# KiCad board rkh.kicad_pcb (continued)
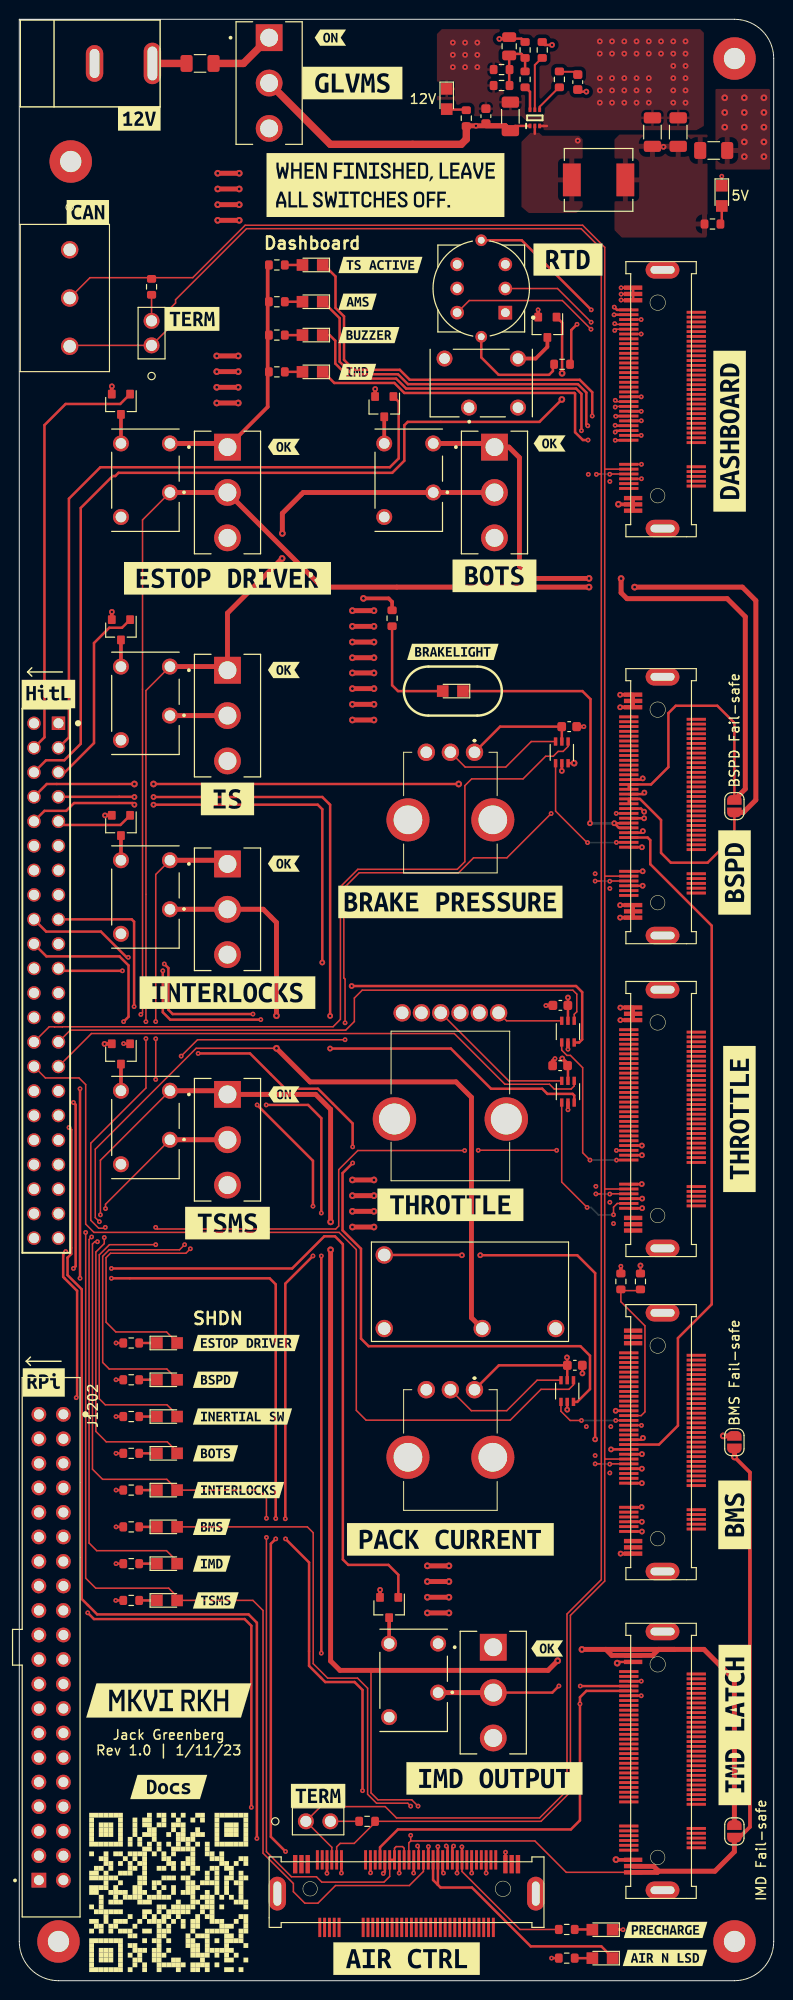
[diagram p0: board, top side]
## Nets (continued)
/Hardware in the Loop/HITL_GPIO31: J301.11
/MSB/CAN.N: J201.2 J601.8 J701.8 J801.8 J1101.8 J1201.15 R201.2 R202.2
/MSB/CAN.P: J201.3 J202.1 J203.1 J601.7 J701.7 J801.7 J1101.7 J1201.14
/MSB/GLV_BATT+: F201.1 J101.1
/Nostril/BSPD/BRAKE_PRESSURE_POT: RV601.2 U601.3
/Nostril/BSPD/BRAKE_PRESSURE_SENSE: J601.11 U601.4
/Nostril/BSPD/BRAKELIGHT_LOW_SIDE: D601.1 J601.14 J601.15
/Nostril/BSPD/SHDN_FROM_BSPD: J601.22 J601.23 JP401.2 K402.4 SW406.1
/Nostril/BSPD_I_SENSE: J601.12 J1201.18
/Nostril/Dashboard/BMS_LED_LSD: D801.1 J801.13
/Nostril/Dashboard/BUZZER_LSD: D805.1 J801.12
/Nostril/Dashboard/IMD_LED_LSD: D802.1 J801.10
/Nostril/Dashboard/START_BTN_A: J801.33 K801.4 SW802.4 SW802.5
/Nostril/Dashboard/START_BTN_B: J801.34 K801.2 SW802.1 SW802.2
/Nostril/Dashboard/START_BTN_LED_+: J801.36 R805.2
/Nostril/Dashboard/START_BTN_LED_-: J801.37 SW802.L2
/Nostril/Dashboard/TS_LED_LSD: D804.1 J801.15
/Nostril/SHDN_SENSE_BOTS: D404.2 J801.18 K402.2 K403.4 SW406.2 SW407.1
/Nostril/SHDN_SENSE_BSPD: D402.2 J601.17
/Nostril/SHDN_SENSE_ESTOP_DRIVER: D401.2 J601.19 J601.20 J801.17 JP401.1 K401.2 SW405.2
/Nostril/SHDN_SENSE_IS: D403.2 J701.12 K403.2 K501.4 SW407.2 SW501.1
/Nostril/Throttle/APPS_POTENTIOMETER_A: RV701.2 U702.3
/Nostril/Throttle/APPS_POTENTIOMETER_B: RV701.5 U701.3
/Nostril/Throttle/THROTTLE_A_SENSE: J701.10 U702.4
/Nostril/Throttle/THROTTLE_B_SENSE: J701.5 U701.4
/Service Section/BMS Core/BMS_RELAY_LSD: J1201.17 K1101.5
/Service Section/BMS Core/CHARGE_ENABLE_IN: J1201.11
/Service Section/BMS Core/CHARGE_ENABLE_OUT: J1201.12
/Service Section/BMS Core/I_SENSE_VOUT: J1201.23 U1101.4
/Service Section/BMS Core/I_SENSE_VREF: J1201.24 R1101.2 R1102.1
/Service Section/BMS Core/PACK_I_SENSE_POT: RV1201.2 U1101.3
/Service Section/IMD Latch/IMD_OUTPUT: J1301.34 K1201.2 SW1201.2
/Service Section/SHDN_SENSE_BMS: D504.2 J1101.19 J1301.P1 J1301.P2 JP501.2 JP502.1 K1101.3
/Service Section/SHDN_SENSE_IMD: D506.2 J1101.21 J1301.P39 J1301.P40 JP502.2 K202.4 SW202.1
/Service Section/SHDN_SENSE_INTERLOCKS: D503.2 J1101.15 J1101.16 J1101.18 JP501.1 K501.2 K1101.2 SW501.2
/Service Section/SHDN_SENSE_TSMS: D507.2 J1101.22 K202.2 SW202.2
Net-(C1003-Pad1): C1003.1 R1002.2
Net-(C1003-Pad2): C1003.2 L1001.1 U1001.2
Net-(C1004-Pad1): C1004.1 R1003.2 R1004.1 R1005.1 R1006.1
Net-(C1004-Pad2): C1004.2 C1005.1 C1006.1 F1001.1 L1001.2 R1006.2 R1008.1
Net-(D401-Pad1): D401.1 R401.1
Net-(D402-Pad1): D402.1 R402.1
Net-(D403-Pad1): D403.1 R403.1
Net-(D404-Pad1): D404.1 R404.1
Net-(D503-Pad1): D503.1 R503.1
Net-(D504-Pad1): D504.1 R504.1
Net-(D506-Pad1): D506.1 R506.1
Net-(D507-Pad1): D507.1 R507.1
Net-(D601-Pad2): D601.2 R601.2
Net-(D801-Pad2): D801.2 R801.2
Net-(D802-Pad2): D802.2 R802.2
Net-(D804-Pad2): D804.2 R803.2
Net-(D805-Pad2): D805.2 R804.2
Net-(D901-Pad2): D901.2 R902.2
Net-(D902-Pad2): D902.2 R903.2
Net-(D1001-Pad2): D1001.2 R1007.2
Net-(D1002-Pad2): D1002.2 R1008.2
Net-(F201-Pad2): F201.2 SW201.1
Net-(J202-Pad2): J202.2 R201.1
Net-(J203-Pad2): J203.2 R202.1
Net-(K202-Pad5): K202.5 Q202.3
Net-(K401-Pad5): K401.5 Q401.3
Net-(K402-Pad5): K402.5 Q402.3
Net-(K403-Pad5): K403.5 Q403.3
Net-(K501-Pad5): K501.5 Q501.3
Net-(K801-Pad5): K801.5 Q801.3
Net-(K1201-Pad5): K1201.5 Q1201.3
Net-(R805-Pad1): R805.1 SW802.L1
Net-(R1002-Pad1): R1002.1 U1001.4
Net-(R1003-Pad1): R1003.1 U1001.6

Pads without a net: J301 42 43 44; J601 4 5 25 26 27 28 29 30 31 32 33 34 35 36 37 41 42 43 44 45 46 47 48 49 50 51 52 53 54 55 56 57 58 59 60 61 62 63 64 65 66 67 68 69 70 71 72 73 75 76; J701 14 15 16 17 18 19 20 21 22 23 24 25 26 27 28 29 30 31 32 33 34 35 36 37 41 42 43 44 45 46 47 48 49 50 51 52 53 54 55 56 57 58 59 60 61 62 63 64 65 66 67 68 69 70 71 72 73 75 76 P1 P2 P3; J801 4 5 20 21 22 23 24 25 26 27 28 29 30 31 41 42 43 44 45 46 47 48 49 50 51 52 53 54 55 56 57 58 59 60 61 62 63 64 65 66 67 68 69 70 71 72 73 75 76; J1101 4 5 10 12 31 33 34 36 37 41 42 43 44 45 46 47 48 49 50 51 52 53 54 55 56 57 58 59 60 61 62 63 64 65 66 67 68 69 70 71 72 73 75 76 P1 P2 P3 P39 P40; J1201 5 7 8 20 21 26 27 28 29 30 31 32 33 34 35 36 37 41 42 43 44 45 46 47 48 49 50 51 52 53 54 55 56 57 58 59 60 61 62 63 64 65 66 67 68 69 70 71 72 73 75 76 P2 P3 P38 P39 P40; J1202 1 3 5 7 8 10 11 12 13 15 16 17 18 19 21 22 23 24 26 27 28 29 31 32 33 35 36 37 38 40; J1301 4 5 6 7 8 9 10 11 12 13 14 15 16 17 18 19 20 21 22 23 24 25 26 27 28 29 30 31 36 37 41 42 43 44 45 46 47 48 49 50 51 52 53 54 55 56 57 58 59 60 61 62 63 64 65 66 67 68 69 70 71 72 73 75 76; RV601 4 5; RV701 MH1 MH2; RV1201 4 5; SW201 3; SW202 3; SW405 3; SW406 3; SW407 3; SW501 3; SW802 3 6; SW1201 3

## Via types
v1: diameter 0.6, hole 0.25, Top to Bottom, 109 vias
v2: diameter 0.5, hole 0.2, Top to Bottom, 166 vias
v3: diameter 0.7, hole 0.3, Top to Bottom, 85 vias

## Routing (per net, layer and track width the routed paths; a pad name or vN(x,y) marks a point on that pad's centre or on a via; arc(x,y) is an arc through that point)
+5V: length 99.7
  Top w0.254: U1101.2 56.82,63.75 ; 56.82,63.75 56.82,64.54 v1(56.79,64.57) ; 56.82,63.75 49.73,63.75 RV1201.1 ; U701.2 56.9,94.77 56.87,94.8 ; v3(62,32.9) 62.13,33.02 J1301.P38 ; v1(56.9,101.85) 56.9,101.04 U702.2 ; RV601.1 49.86,129.92 56.24,129.92 56.26,129.9 U601.2 ; v2(50.42,13.31) 50.41,13.3 J1101.P38 ; 64.41,73.39 v1(64.41,74.09) ; 55.82,2.34 v2(55.19,2.34)
  Top w0.381: v3(62.13,152.96) 62.14,152.95 J801.P2 ; v1(56.3,95.54) 56.87,94.97 56.87,94.8 ; v1(62.33,99.52) 62.34,99.52 J701.P38 J701.P40 62.34,100.82 v1(62.33,100.81) ; v1(62.36,44.25) 62.36,44.24 J1201.P1 ; v1(62.31,111.43) 62.31,111.43 J601.P3 J601.P1 62.31,110.13 v1(62.31,110.13) ; J801.P1 J801.P3
  Top w0.508: v3(44.55,41.35) v3(42.32,41.35) ; v3(34.54,132.23) v3(36.78,132.23) ; v3(34.54,82.96) v3(36.78,82.96) ; v3(36.78,130.61) v3(34.54,130.61) ; v3(44.55,38.1) v3(42.32,38.1) ; v3(34.54,138.68) v3(36.78,138.68) ; v3(42.32,42.98) v3(44.55,42.98) ; v3(36.78,140.31) v3(34.54,140.31) ; v3(20.47,168.33) v3(22.71,168.33) ; v3(22.81,185.62) v3(20.57,185.62) ; v3(34.54,141.94) v3(36.78,141.94) ; v3(20.47,165.07) v3(22.71,165.07) ; v3(36.78,133.86) v3(34.54,133.86) ; v3(20.57,187.25) v3(22.81,187.25) ; v3(36.78,137.06) v3(34.54,137.06) ; v3(22.81,182.37) v3(20.57,182.37) ; v3(22.71,166.7) v3(20.47,166.7) ; v3(36.78,81.33) v3(34.54,81.33) ; v3(20.57,184) v3(22.81,184) ; v3(34.54,79.71) v3(36.78,79.71) ; v3(34.54,135.48) v3(36.78,135.48) ; v3(36.78,78.08) v3(34.54,78.08) ; v3(22.71,163.45) v3(20.47,163.45) ; v3(42.32,39.73) v3(44.55,39.73)
  vias: v3(73.15,195.07) v3(73.15,193.55) v3(73.15,192.02) v3(75.18,195.07) v3(75.18,193.55) v3(75.18,192.02) v3(75.18,190.5) v3(75.18,188.98) v3(77.22,195.07) v3(77.22,193.55) v3(77.22,192.02) v3(77.22,190.5) v3(77.22,188.98)
+12V: length 301.7
  Top w0.25: U1001.1 51.41,192.15 C1002.1
  Top w0.254: 54.23,200.81 54.5,200.54 v1(55.25,200.54)
  Top w0.381: v3(35.69,143.21) 38.3,143.21 38.66,142.85 38.66,142.1 ; SW405.1 25.76,163.05 25.76,177.75 ; 61.88,12.55 61.91,12.52 63.62,12.52
  Top w0.508: SW405.1 21.21,159.26 K401.4 ; 48.39,192.17 50.4,192.17 50.93,191.64 50.4,192.17 46.35,192.17 ; v3(61.87,12.55) 61.88,12.55
  Top w0.762: 46.35,192.17 46.35,190.78 45.82,190.25 32.26,190.25 SW201.2
  In2.Cu w0.254: v1(55.25,200.54) 55.13,200.54 47.35,192.77 v1(47.35,192.17)
  In2.Cu w0.508: SW405.1 32.69,158.88 32.72,158.9 35.66,155.96 35.66,69.75 K1101.1 36.07,65.79 36.07,50.75 36.68,50.14 42.57,50.14 43.43,49.28 K1201.4 43.81,34.55 SW1201.1 52.2,31.5 60.55,31.5 61.87,30.18 v3(61.87,12.55)
  In2.Cu w0.762: SW405.1 21.59,192.28 SW201.2
GND: length 88.8
  Top w0.152: J801.35 v2(64.48,172.1) ; J801.32 v2(64.48,170.6) ; v2(64.52,57.53) 64.5,57.54 J1201.22 ; v2(64.52,155.6) 64.51,155.6 J801.6 ; J801.9 64.51,157.1 v2(64.52,157.1)
  Top w0.254: v1(64.56,51.54) 64.56,51.54 J1201.10 ; 72.85,186.01 v2(72.85,186.94) ; J1101.23 42.42,12.53 v2(42.42,13.89) ; J701.13 v1(64.56,86.52) ; J701.11 v1(64.57,85.52) ; v2(62.41,174.12) 62.43,174.1 J801.P38 J801.P40 62.42,175.4 v2(62.41,175.39) ; J1201.13 v1(64.56,53.04) ; J601.10 64.56,117.43 v1(64.57,117.42) ; v2(31.9,11.13) 31.91,11.13 J1101.6 ; 10.66,62.26 v2(10.03,62.26) ; v1(64.53,49.07) 64.51,49.04 J1201.9 ; U601.5 v1(56.26,125.33) ; J1101.20 40.91,11.17 v2(40.89,11.15) ; 10.66,58.45 v2(10.03,58.45) ; J801.11 v2(64.49,160.1) ; v2(64.49,29.52) 64.49,29.52 J1301.32 ; J1101.35 48.41,11.15 v2(48.41,11.15) ; v1(64.67,56.23) 64.49,56.04 J1201.19 ; v2(62.41,174.73) 62.43,174.75 J801.P39 ; v1(64.57,46.53) 64.56,46.54 J1201.4 ; J1201.25 v1(61.85,59.04) ; J801.14 64.49,161.6 v2(64.5,161.61) ; J601.24 64.52,124.43 v1(64.65,124.56) ; J1101.26 43.91,11.23 v2(43.99,11.15) ; J801.16 64.49,162.6 v2(64.49,162.59) ; J1101.9 33.4,12.51 v2(33.4,11.15) ; v1(64.67,119.1) 64.5,118.93 J601.13 ; v2(39.4,11.15) 39.41,11.16 J1101.17 ; J1201.6 v1(64.56,47.54) ; J1201.16 64.56,54.54 v1(64.57,54.56) ; J601.18 64.47,121.43 v1(64.8,121.11) ; J1301.35 64.49,31.02 v2(64.5,31.03) ; v2(45.39,11.15) 45.41,11.17 J1101.29 ; J1101.14 37.91,11.27 v2(37.75,11.11) ; 61.58,5.28 v2(62.61,5.28) ; v1(64.64,113.44) 64.64,113.43 J601.6 ; v2(46.91,11.15) 46.91,11.16 J1101.32 ; v1(64.59,81.03) 64.59,81.02 J701.6 ; J601.16 64.79,120.43 v1(64.8,120.42) ; 10.66,50.83 v2(10.03,50.83) ; 10.66,54.64 v2(10.03,54.64) ; U1101.5 v1(56.82,59.16) ; J1101.11 36.41,11.19 v2(36.42,11.18) ; v1(64.82,123.09) 64.66,122.93 J601.21 ; J801.19 64.49,164.1 v2(64.49,164.09) ; J701.4 64.58,80.02 v1(64.59,80.04) ; 10.66,39.4 v2(10.01,39.4) ; 10.66,43.21 v2(10.03,43.21) ; 58.39,63.75 v1(58.39,62.92) ; 53.97,192.15 U1001.3 54.71,192.15 ; v1(64.55,82.53) 64.54,82.52 J701.9 ; J601.9 64.64,114.93 v1(64.64,114.94) ; 10.66,66.07 v2(10.03,66.07) ; 10.66,47.02 v2(10.03,47.02)
  Top w0.381: Q403.2 9.59,141.8 v1(9.6,141.81) ; v1(36.91,164.9) 36.9,164.89 Q402.2 ; Q501.2 9.58,120.73 v1(8.89,120.73) ; v1(8.84,97.05) 8.85,97.06 Q202.2 ; v2(53.8,173.1) 53.81,173.09 Q801.2 ; 55.3,94.8 55.3,95.27 v2(55.55,95.53) ; U701.5 v2(56.9,90.23) ; v1(9.6,165.18) 9.59,165.17 Q401.2 ; 55.32,101.04 54.63,101.04 v2(54.61,101.02) ; v1(62.31,131.93) 62.31,131.93 J601.P38 J601.P40 62.31,133.23 v1(62.31,133.22) ; U702.5 v2(56.9,96.5) ; v1(37.41,40.49) 37.4,40.48 Q1201.2 ; 62.38,73.39 v2(62.38,74.02) ; 57.81,129.92 v2(58.55,129.92)
  vias: v1(44.96,200.79) v1(44.96,199.52) v1(44.96,198.25) v1(46.23,200.79) v1(46.23,199.52) v1(46.23,198.25) v1(47.5,200.79) v1(47.5,199.52) v1(47.5,198.25) v1(60.2,200.91) v1(60.2,199.64) v1(60.2,197.1) v1(60.2,195.83) v1(60.2,194.56) v1(61.47,200.91) v1(61.47,199.64) v1(61.47,197.1) v1(61.47,195.83) v1(61.47,194.56) v1(62.74,200.91) v1(62.74,199.64) v1(62.74,197.1) v1(62.74,195.83) v1(62.74,194.56) v1(64.01,200.91) v1(64.01,199.64) v1(64.01,197.1) v1(64.01,195.83) v1(64.01,194.56) v1(65.28,200.91) v1(65.28,199.64) v1(65.28,197.1) v1(65.28,195.83) v1(65.28,194.56) v1(66.55,200.91) v1(66.55,199.64) v1(67.82,200.91) v1(67.82,199.64) v1(67.82,198.37) v1(67.82,197.1) v1(67.82,195.83) v1(67.82,194.56) v1(69.09,200.91) v1(69.09,199.64) v1(69.09,198.37) v1(69.09,197.1) v1(69.09,195.83) v1(69.09,194.56) v2(58.8,57.4) v2(59,156.06) v2(59.72,114.68) v2(59.72,54.41) v2(59.79,82.3) v2(61.24,155.32) v2(61.24,113.16) v2(61.24,80.64) v2(61.24,52.6) v2(61.34,57.4) v2(61.62,78.44)
/Buck Converter/BUCK_EN: length 5.7
  Top w0.2: 54.23,199.24 53.46,198.47 U1001.5
/Hardware in the Loop/HITL_DAC1: length 60.4
  Top w0.152: J301.27 5.29,98.48 33.85,98.48 34.75,99.37 34.75,101.8 35.56,102.62 57.4,102.62 57.81,102.21 57.81,100.38 57.55,100.12 U702.1
/Hardware in the Loop/HITL_DAC2: length 81.3
  Top w0.152: J301.28 3.11,98.83 3.65,98.83 3.66,98.82 4.47,98.82 4.48,98.83 32.54,98.83 33.3,99.59 33.3,113.33 35.1,115.14 45.42,115.14 46.2,115.93 46.2,123.8 46.91,124.51 52.24,124.51 54.58,126.85 55.37,126.85 55.88,127.36 56.39,127.36 56.91,127.87 U601.1
/Hardware in the Loop/HITL_DAC3: length 57.9
  Top w0.152: U701.1 57.55,92.7 57.23,92.38 55.47,92.38 54.98,92.87 50.36,92.87 45.1,98.13 7.48,98.13 J301.29
/Hardware in the Loop/HITL_DAC4: length 91.3
  Top w0.152: J301.30 2.71,93.52 6.2,93.52 6.88,92.84 6.88,78.38 7.75,77.52 33.17,77.52 34.95,75.74 34.95,59.08 35.97,58.06 50.9,58.06 54.1,61.26 57,61.26 57.47,61.74 U1101.1
/Hardware in the Loop/HITL_GPIO7: length 132.7
  Top w0.254: v2(45.03,13.94) 44.91,13.82 J1101.28 ; v2(24.66,90.73) 30.45,84.94 v2(30.45,80.24) ; v2(15.04,105.33) 15.46,104.91 15.46,100.59 15.91,100.14 v2(24.23,100.14) ; v2(35.59,19.69) 35.59,30.12 34.77,30.94 31.72,30.94 30.05,32.61 30.05,43.33 v2(27.61,45.77) ; v2(27.58,47.85) 27.58,72.21 v2(30.45,75.08) ; v2(11.3,106.02) 11.13,106.02 8.47,108.69 2.79,108.69 J301.18
  In2.Cu w0.254: v2(11.3,106.02) 14.35,106.02 v2(15.04,105.33) ; v2(24.66,90.73) 24.23,91.16 v2(24.23,100.14) ; v2(35.59,19.69) 40.57,19.69 45.03,15.22 v2(45.03,13.94) ; v2(27.61,45.77) 27.61,47.83 v2(27.58,47.85) ; v2(30.45,75.08) v2(30.45,80.24)
/Hardware in the Loop/HITL_GPIO9: length 44.1
  Top w0.254: J301.04 2.61,128.81 2.61,161.16 4.8,163.35 10.47,163.35 Q401.1
/Hardware in the Loop/HITL_GPIO10: length 96
  Top w0.254: v3(56.29,166.53) 56.29,171.77 Q801.1 ; v3(56.26,163.81) 53.94,161.49 40.28,161.49 39.93,161.14 39.93,157.47 38.67,156.21 10.29,156.21 9.96,155.88 9.68,155.88 6.38,152.58 6.38,128.14 4.67,126.44 2.78,126.44 J301.06
  In2.Cu w0.254: v3(56.26,163.81) 56.26,166.5 v3(56.29,166.53)
/Hardware in the Loop/HITL_GPIO11: length 58.4
  Top w0.254: U601.6 56.92,126.14 v3(57.53,126.14) ; v3(11.94,123.98) 2.85,123.98 J301.08 ; v3(13.92,123.98) v3(45.57,123.98)
  In2.Cu w0.254: v3(57.53,126.14) 57.53,125.63 55.88,123.98 v3(45.57,123.98) ; v3(11.94,123.98) v3(13.92,123.98)
/Hardware in the Loop/HITL_GPIO13: length 68.8
  Top w0.254: J301.03 5.15,128.81 5.15,153.54 8.41,156.79 38.43,156.79 39.34,157.71 39.34,163.57 Q402.1
/Hardware in the Loop/HITL_GPIO14: length 20
  Top w0.254: Q403.1 10.65,140.16 9.33,140.16 7.75,138.58 7.75,128.22 4.72,125.19 J301.05
/Hardware in the Loop/HITL_GPIO15: length 81.8
  Top w0.254: v1(13.92,122.63) 31.42,122.63 32.23,121.82 v1(32.23,99.95) ; v1(11.94,122.63) 11.92,122.65 J301.07 ; U701.6 57.55,91.71 57.38,91.87 54.76,91.87 54.23,92.41 48.92,92.41 44.75,96.57 v1(32.23,96.57)
  In2.Cu w0.254: v1(11.94,122.63) v1(13.92,122.63) ; v1(32.23,99.95) v1(32.23,96.57)
/Hardware in the Loop/HITL_GPIO16: length 81
  Top w0.254: U702.6 58.06,97.2 58.37,97.51 58.37,102.41 57.73,103.05 v1(34.47,103.05) ; v1(13.92,121.83) 30.95,121.83 31.42,121.36 v1(31.42,105.49) ; J301.10 2.61,121.19 4.86,121.19 5.67,122 11.77,122 v1(11.94,121.83)
  In2.Cu w0.254: v1(34.47,103.05) 33.68,103.05 31.42,105.31 v1(31.42,105.49) ; v1(11.94,121.83) v1(13.92,121.83)
/Hardware in the Loop/HITL_GPIO17: length 8
  Top w0.254: J301.09 4.44,119.74 10.49,119.74 Q501.1
/Hardware in the Loop/HITL_GPIO22: length 155.2
  Top w0.254: 43.41,9.93 43.69,9.65 46.94,9.65 53.04,3.56 60.36,3.56 61.58,2.34 ; 43.41,9.93 J1101.25 43.41,13.89 v2(43.41,13.89) ; 43.41,9.93 42.91,10.43 J1101.24 ; v2(26.59,47.88) 26.59,72.14 25.96,72.77 v2(9.55,72.77) ; v2(27.61,13.39) 26.09,14.91 26.09,45.26 v2(26.59,45.77) ; v2(6.3,72.77) v2(6.3,92.41)
  In2.Cu w0.254: v2(27.61,13.39) 28.17,12.83 42.34,12.83 v2(43.41,13.89) ; v2(9.55,72.77) v2(6.3,72.77) ; v2(6.3,92.41) 6.3,100.09 J301.23 ; v2(26.59,45.77) v2(26.59,47.88)
/Hardware in the Loop/HITL_GPIO23: length 102.9
  Top w0.254: v2(9.55,73.79) 28.3,73.79 31.63,77.12 32.74,77.12 33.55,76.3 33.55,43.64 34.11,43.08 38.28,43.08 39.3,42.05 Q1201.1 ; v2(5.61,90.98) 5.85,90.75 5.85,74.02 v2(5.61,73.79)
  In2.Cu w0.254: J301.24 2.55,101.31 3.99,101.31 5.85,99.45 5.85,92.77 5.72,92.64 5.72,91.94 6.15,91.52 v2(5.61,90.98) ; v2(9.55,73.79) v2(5.61,73.79)
/Hardware in the Loop/HITL_GPIO24: length 166.7
  Top w0.254: J1101.13 37.41,13.82 39.26,15.67 57.2,15.67 58.14,16.61 v2(58.14,28.68) 58.14,29.36 58.8,30.02 J1301.33 ; v2(31.32,79.53) 31.32,89.36 29.95,90.73 v2(25.6,90.73) ; J301.21 4.31,104.62 v2(10.69,104.62) ; v2(31.32,33.93) v2(31.32,75.08) ; v2(14.88,104.62) 14.88,100.33 15.65,99.57 v2(25.04,99.57)
  In2.Cu w0.254: v2(31.32,33.93) 32.54,32.72 48.7,32.72 52.74,28.68 v2(58.14,28.68) ; v2(14.88,104.62) v2(10.69,104.62) ; v2(25.04,99.57) 25.6,99.01 v2(25.6,90.73) ; v2(31.32,75.08) v2(31.32,79.53)
/Hardware in the Loop/HITL_GPIO25: length 150.2
  Top w0.152: J1101.30 45.91,11.32 51.92,5.31 55.82,5.31
  Top w0.254: v2(5.16,88.39) 5.39,88.16 5.39,75.29 5,74.9 5,73.1 6.48,71.62 6.48,39.54 8.08,37.95 23.77,37.95 24.64,37.08 v2(24.64,14.73) ; J1101.30 45.91,13.86 v2(45.9,13.87)
  In2.Cu w0.254: v2(24.64,14.73) 27.62,11.75 43.64,11.75 43.71,11.68 v2(45.9,13.87) ; J301.22 2.55,103.85 3.99,103.85 6.75,101.08 6.75,96.62 7.21,96.16 7.21,90.45 v2(5.16,88.39)
/Hardware in the Loop/HITL_GPIO26: length 135.7
  Top w0.254: v2(7.1,38.11) 7.74,37.47 23.37,37.47 24.06,36.77 v2(24.06,17.97) ; v2(44.27,13.95) 44.41,13.82 J1101.27 ; v2(4.81,75.54) 4.55,75.27 4.55,72.91 5.99,71.47 5.99,60.49 v2(5.9,60.4)
  In2.Cu w0.254: J301.19 4.2,107.41 7.21,104.4 7.21,96.81 7.67,96.35 7.67,90.26 5.84,88.44 5.84,76.57 v2(4.81,75.54) ; v2(24.06,17.97) 24.2,17.97 25.58,16.59 25.58,14.43 27.77,12.24 42.57,12.24 44.27,13.94 v2(44.27,13.95) ; v2(5.9,60.4) 7.1,59.21 v2(7.1,38.11)
/Hardware in the Loop/HITL_GPIO27: length 19.7
  Top w0.254: v2(10.82,99.36) 11.33,99.87 11.33,105.18 10.39,106.12 2.81,106.12 J301.20 ; v2(10.82,97.08) 10.84,97.06 Q202.1
  In2.Cu w0.254: v2(10.82,97.08) v2(10.82,99.36)
/Hardware in the Loop/HITL_GPIO28: length 98.3
  Top w0.254: v2(34.57,86.39) 34.57,88.81 30.97,92.4 27.59,92.4 23.93,96.06 v2(18.55,96.06) ; v2(34.57,84.71) 33.52,83.66 33.52,77.74 35.43,75.83 35.43,66.52 36.22,65.74 58.19,65.74 59.18,64.74 59.18,61.29 57.85,59.96 U1101.6 ; J301.17 4.07,109.96 11.66,109.96 11.9,109.71 v2(11.9,100.91)
  In2.Cu w0.254: v2(34.57,86.39) 34.57,86.38 v2(34.57,84.71) ; v2(11.9,100.91) 14.02,100.91 18.55,96.39 v2(18.55,96.06)
/MSB/CAN.N: length 259
  Top w0.152: J201.2 7.33,176.43 17.99,176.43 23.42,181.86 58.42,181.86 60.71,179.58 60.71,156.6 ; 60.71,54.1 60.71,41.4 57.15,37.85 57.15,19.56 54.1,16.51 37.02,16.51 34.73,14.22 33.27,14.22 32.91,13.86 J1101.8 ; 60.71,54.1 60.71,82.04 ; 60.71,54.1 60.76,54.04 J1201.15 ; 60.71,114.43 60.71,82.04 ; 60.71,114.43 60.71,156.6 ; 60.71,114.43 J601.8 ; 60.71,82.04 60.73,82.02 J701.8 ; 60.71,156.6 J801.8
/MSB/CAN.P: length 274.2
  Top w0.152: 60.35,81.56 60.35,113.92 ; 60.35,81.56 60.3,81.51 v2(59.79,81.51) ; 60.35,81.56 60.35,53.51 ; 60.35,113.92 60.35,156.09 ; 60.35,113.92 60.35,113.92 v2(59.72,113.92) ; 60.35,156.09 59.87,156.09 v2(59.84,156.06) ; 60.35,156.09 60.35,179.42 58.26,181.51 23.56,181.51 16.21,174.15 16.21,173.81 15.32,172.92 15.32,171.02 J203.1 5.32,169.42 J201.3 ; J701.7 61.26,81.52 v2(61.23,81.5) ; 60.35,53.51 60.32,53.54 v2(59.72,53.54) ; 60.35,53.51 60.35,41.55 56.8,37.99 56.8,19.7 53.96,16.86 39.12,16.86 37.94,18.03 31.24,18.03 J202.1 32.41,13.82 J1101.7 ; J601.7 61.26,113.93 v2(61.23,113.91) ; J1201.14 61.26,53.54 v2(61.23,53.52) ; J801.7 61.26,156.1 v2(61.23,156.07)
  Bottom w0.152: v2(59.84,156.06) 59.85,156.07 v2(61.23,156.07) ; v2(61.23,81.5) 59.8,81.5 v2(59.79,81.51) ; v2(61.23,113.91) 59.73,113.91 v2(59.72,113.92) ; v2(61.23,53.52) 61.21,53.54 v2(59.72,53.54)
/MSB/GLV_BATT+: length 3.5
  Top w0.762: J101.1 17.26,198.63
/Nostril/BSPD/BRAKE_PRESSURE_POT: length 12.6
  Top w0.152: U601.3 53.09,128.38 50.44,125.73 46.24,125.73 RV601.2
/Nostril/BSPD/BRAKE_PRESSURE_SENSE: length 13.9
  Top w0.152: U601.4 55.61,121.17 58.88,117.91 v2(58.93,117.91) ; J601.11 63.2,117.93 v2(61.92,117.93)
  Bottom w0.152: v2(58.93,117.91) 61.89,117.91 v2(61.92,117.93)
/Nostril/BSPD/BRAKELIGHT_LOW_SIDE: length 32.1
  Top w0.254: v1(59.18,119.91) 59.23,119.96 59.23,132.77 58.39,133.6 46.06,133.6 ; J601.14 62.18,119.43 v1(61.7,119.91) 63.18,119.91 J601.15
  Bottom w0.254: v1(59.18,119.91) v1(61.7,119.91)
/Nostril/BSPD/SHDN_FROM_BSPD: length 93.5
  Top w0.254: JP401.2 74.15,130.32 72.39,132.08 68.07,132.08 67.31,131.32 67.31,125.73 65.51,123.93 J601.23 J601.22
  Top w0.508: K402.4 48.9,159.26 SW406.1 50.77,158.88 51.87,157.78 51.87,146.56 53.15,145.27 v3(59.08,145.27) ; JP401.2 75.29,123.46 75.29,141.3 73.41,143.18 63.02,143.18 62.41,143.79 v3(62.41,145.26)
  In2.Cu w0.508: v3(62.41,145.26) 59.09,145.26 v3(59.08,145.27)
/Nostril/BSPD_I_SENSE: length 73
  Top w0.254: J601.12 65.16,118.43 65.43,118.16 65.43,115.67 71.81,109.3 71.81,70.08 68.3,66.57 68.3,57.51 66.34,55.54 J1201.18
/Nostril/Dashboard/BMS_LED_LSD: length 41.6
  Top w0.254: J801.13 61.83,161.1 v2(61.79,161.14) ; v2(58.95,161.09) 58.8,161.24 58.8,164.53 57.93,165.4 40.3,165.4 39.27,166.43 34.51,166.43 33.22,167.73 33.22,172.23 31.52,173.94
  In2.Cu w0.254: v2(58.95,161.09) 59,161.14 v2(61.79,161.14)
/Nostril/Dashboard/BUZZER_LSD: length 39.5
  Top w0.254: v2(61.8,160.44) 61.93,160.57 63.18,160.57 J801.12 ; v2(58.29,160.58) 58.29,164.4 57.74,164.94 40.12,164.94 39.08,165.98 34.33,165.98 32.77,167.54 32.77,169.9 32.18,170.48 31.52,170.48
  In2.Cu w0.254: v2(58.29,160.58) 58.36,160.51 61.72,160.51 v2(61.8,160.44)
/Nostril/Dashboard/IMD_LED_LSD: length 37
  Top w0.254: v2(61.8,159.59) 63.19,159.59 J801.10 ; v2(58.98,159.61) 58.44,159.61 57.63,160.42 57.63,164.41 57.56,164.49 39.93,164.49 38.89,165.52 32.67,165.52 31.52,166.67
  In2.Cu w0.254: v2(61.8,159.59) 59,159.59 v2(58.98,159.61)
/Nostril/Dashboard/START_BTN_A: length 42
  Top w0.152: v2(59.28,171.09) 56.31,174.07 46.66,174.07 SW802.4 ; J801.33 61.88,171.1 v2(61.75,170.97)
  In2.Cu w0.152: v2(61.75,170.97) 59.41,170.97 v2(59.28,171.09)
  In2.Cu w0.381: SW802.5 SW802.4 44.6,172.01 44.6,170.43 45.59,169.44 45.59,166.83 44.6,165.84 44.6,162.53 45.92,161.21 49.95,161.21 K801.4
/Nostril/Dashboard/START_BTN_B: length 28.2
  Top w0.152: v2(59.3,171.82) 55.81,175.31 SW802.2 ; J801.34 61.82,171.6 v2(61.75,171.67)
  In2.Cu w0.152: v2(59.3,171.82) 59.45,171.67 v2(61.75,171.67)
  In2.Cu w0.381: SW802.2 SW802.1 50.4,170.09 46.63,166.32 K801.2
/Nostril/Dashboard/START_BTN_LED_+: length 10.2
  Top w0.254: 57.24,167.46 57.24,171 v2(57.84,171.6) ; v2(61.68,172.59) 61.69,172.6 J801.36
  In2.Cu w0.254: v2(57.84,171.6) 58.76,172.52 61.61,172.52 v2(61.68,172.59)
/Nostril/Dashboard/START_BTN_LED_-: length 18.5
  Top w0.254: J801.37 61.98,173.1 v2(61.7,173.38) ; v2(59.31,173.1) 52.1,180.31 SW802.L2
  In2.Cu w0.254: v2(59.31,173.1) 61.42,173.1 v2(61.7,173.38)
/Nostril/Dashboard/TS_LED_LSD: length 44.2
  Top w0.254: v2(61.85,162.08) 62.04,162.08 62.05,162.1 J801.15 ; v2(59.41,162.1) 59.41,164.56 58.12,165.85 40.49,165.85 39.46,166.89 34.7,166.89 33.67,167.91 33.67,172.42 32.79,173.31 32.79,176.56 31.6,177.75 31.52,177.75
  In2.Cu w0.254: v2(59.41,162.1) 61.82,162.1 v2(61.85,162.08)
/Nostril/SHDN_SENSE_BOTS: length 159.2
  Top w0.152: v2(13.13,99.36) 13.13,133.65 K403.4 ; v2(8.81,77) 8.81,76.36 7.94,75.49 7.94,56.91 9.02,55.83 15.34,55.83 16.42,54.75 16.42,54.64 ; v2(8.92,78.05) 8.82,77.95 8.24,77.95 7.41,78.78 7.41,86.76 13.13,92.48 v2(13.13,97.6) ; v2(61.8,163.73) 61.93,163.6 J801.18
  Top w0.508: SW406.2 K402.2 29.44,154.18 27.28,152.02 v3(27.28,149.94) ; K403.4 21.21,136.14 SW407.1 21.59,141.68 v3(27.25,147.35)
  In2.Cu w0.152: v2(61.8,163.73) 58.83,163.73 SW406.2 ; v2(13.13,99.36) v2(13.13,97.6) ; v2(8.92,78.05) 8.92,77.1 v2(8.81,77)
  In2.Cu w0.508: v3(27.25,147.35) 27.28,147.37 v3(27.28,149.94)
/Nostril/SHDN_SENSE_BSPD: length 114.4
  Top w0.152: v2(17.15,76.25) 16.61,75.72 9.31,75.72 8.65,75.05 8.65,64.05 9.32,63.37 15.3,63.37 16.42,62.26 ; v2(33.78,99.24) 33.78,103.76 33.65,103.89 33.65,113.19 35.25,114.79 45.56,114.79 47.11,116.33 50.56,116.33 v2(55.15,120.92) ; v2(16.79,95.79) 18.48,97.49 v2(33.78,97.49) ; v2(61.9,120.93) 61.9,120.93 J601.17
  In2.Cu w0.152: v2(61.9,120.93) 55.16,120.93 v2(55.15,120.92) ; v2(17.15,76.25) 17.15,95.43 v2(16.79,95.79) ; v2(33.78,99.24) v2(33.78,97.49)
/Nostril/SHDN_SENSE_ESTOP_DRIVER: length 238.9
  Top w0.152: v2(12.61,100.1) 12.78,100.27 12.78,151.34 K401.2 ; J801.17 61.86,163.1 v2(61.8,163.03) ; v2(17.74,75.83) 17.28,75.37 9.46,75.37 9,74.9 9,68.22 10.01,67.21 15.27,67.21 16.42,66.07
  Top w0.254: JP401.1 74.15,118.6 71.37,115.82 67.56,115.82 66.55,116.84 66.55,120.24 64.36,122.43 J601.20 J601.19
  Top w0.508: K401.2 SW405.2 31.39,144.37 v3(59.08,144.37) ; JP401.1 75.08,121.03 76.38,122.33 76.38,142.98 74.98,144.37 v3(63.8,144.37)
  In2.Cu w0.152: v2(17.74,75.83) 17.74,96.52 14.16,100.1 v2(12.61,100.1) ; v3(59.08,144.37) 57.77,145.69 57.77,161.2 59.59,163.03 v2(61.8,163.03)
  In2.Cu w0.508: v3(59.08,144.37) v3(63.8,144.37)
/Nostril/SHDN_SENSE_IS: length 153.6
  Top w0.152: v2(14.15,97.59) v2(14.15,93.37) ; 16.42,58.45 16.42,58.56 15.32,59.66 8.92,59.66 8.29,60.29 8.29,75.2 9.35,76.25 v2(14.15,76.25) ; K501.4 14.15,114.6 v2(14.15,99.36) ; v2(55.72,86.03) v2(47.59,86.03) ; J701.12 v2(61.92,86.02) ; v2(46.18,86) 35.1,86 33.12,84.02 33.12,78.18 32.81,77.87 14.32,77.87 v2(14.15,78.05)
  Top w0.508: K403.2 SW407.2 ; SW501.1 21.21,116.08 K501.4
  In2.Cu w0.152: v2(47.59,86.03) 46.21,86.03 v2(46.18,86) ; v2(55.72,86.03) 61.91,86.03 v2(61.92,86.02) ; v2(14.15,99.36) v2(14.15,97.59) ; v2(14.15,93.37) v2(14.15,76.25)
  In2.Cu w0.508: K403.2 K501.4
/Nostril/Throttle/APPS_POTENTIOMETER_A: length 6.9
  Top w0.152: RV701.2 50.53,99.45 U702.3
/Nostril/Throttle/APPS_POTENTIOMETER_B: length 15.5
  Top w0.152: RV701.5 50.75,93.22 U701.3
/Nostril/Throttle/THROTTLE_A_SENSE: length 17.6
  Top w0.152: U702.4 56.25,96.41 56.79,95.86 57.15,95.86 58.42,94.59 58.42,85.78 v2(59.18,85.01) ; J701.10 61.94,85.02 v2(61.93,85.01)
  Bottom w0.152: v2(61.93,85.01) v2(59.18,85.01)
/Nostril/Throttle/THROTTLE_B_SENSE: length 17.5
  Top w0.152: v2(58.88,80.11) 56.25,82.74 U701.4 ; v2(61.62,79.35) 61.62,80.14 62,80.52 J701.5
  Bottom w0.152: v2(58.88,80.11) 59.28,80.11 60.05,79.35 v2(61.62,79.35)
/Service Section/BMS Core/BMS_RELAY_LSD: length 43.8
  Top w0.254: v1(47.8,75.16) 57.86,75.16 59.72,73.3 v1(59.72,56.08) ; J1201.17 61.37,55.04 v1(61.37,55.04) ; K1101.5 45.87,75.18 v1(45.9,75.16)
  In2.Cu w0.254: v1(59.72,56.08) 60.76,55.04 v1(61.37,55.04) ; v1(47.8,75.16) v1(45.9,75.16)
/Service Section/BMS Core/I_SENSE_VOUT: length 8.4
  Top w0.152: v2(61.85,58.04) 63.2,58.04 J1201.23 ; v2(58.29,58.04) 57.12,58.04 56.17,58.99 U1101.4
  Bottom w0.152: v2(58.29,58.04) v2(61.85,58.04)
/Service Section/BMS Core/I_SENSE_VREF: length 17.5
  Top w0.152: 64.41,71.49 62.38,71.49 62.38,70.34 64.88,67.85 64.88,58.93 64.49,58.54 J1201.24
/Service Section/BMS Core/PACK_I_SENSE_POT: length 13.7
  Top w0.152: RV1201.2 46.88,59.06 50.55,59.06 53.7,62.21 U1101.3
/Service Section/IMD Latch/IMD_OUTPUT: length 20.1
  Top w0.254: v2(58.17,30.52) J1301.34 ; v2(55.96,30.53) 55.27,29.85 SW1201.2
  Top w0.508: K1201.2 SW1201.2
  In2.Cu w0.254: v2(55.96,30.53) 58.17,30.53 v2(58.17,30.52)
/Service Section/SHDN_SENSE_BMS: length 166.5
  Top w0.152: J1101.19 40.39,12.54 40.39,14.28 40.59,14.48 ; v2(40.59,18.08) 40.29,18.39 37.05,18.39 36.12,19.31 36.12,30.3 35.08,31.34 31.98,31.34 30.48,32.84 30.48,46.41 29.87,47.02 16.42,47.02 ; 40.59,14.48 53.47,14.48 56.72,11.22 J1301.P1 ; 40.59,14.48 v2(40.59,15.06)
  Top w0.381: v3(74.17,54.25) 75.77,52.65 75.77,15.93 74.65,14.82 JP502.1
  Top w0.508: v3(74.17,54.25) 74.17,55.13 JP501.2 ; 66.29,11.34 72.14,11.34 74.15,13.36 JP502.1 ; 66.29,11.34 65.79,11.85 63.65,11.85 ; 66.29,11.34 66.17,11.22 J1301.P1
  In2.Cu w0.152: v2(40.59,15.06) v2(40.59,18.08)
  In2.Cu w0.508: K1101.3 57.59,67.56 61.51,63.65 71.92,63.65 74.17,61.4 v3(74.17,54.25)
/Service Section/SHDN_SENSE_IMD: length 226.1
  Top w0.152: v2(41.3,13.95) 41.41,13.84 J1101.21 ; v2(8.41,79.34) 8.41,85 K202.4 ; v2(41.35,18.08) 40.7,18.74 37.19,18.74 36.47,19.46 36.47,32.13 36.49,32.15 ; v2(7.5,77.05) 7.24,76.79 7.24,45.34 8.03,44.55 15.27,44.55 16.42,43.4 16.42,43.21
  Top w0.508: v3(32.28,75.72) 32.28,33.12 33.25,32.15 54.83,32.15 v3(55.83,33.15) ; K202.4 21.21,92.2 SW202.1 30.73,91.82 32.28,90.27 v3(32.28,78.61) ; JP502.2 74.15,31.17 71,34.32 67.94,34.32 ; 67.94,34.32 66.29,34.32 65.67,33.7 61.45,33.7 60.83,34.32 ; 67.94,34.32 J1301.P40 60.83,34.32 ; 60.83,34.32 58.35,34.32 v3(58.34,34.32)
  In2.Cu w0.152: v2(41.35,18.08) 41.3,18.03 v2(41.3,13.95) ; v2(7.5,77.05) 7.52,77.07 7.52,78.59 8.27,79.34 v2(8.41,79.34)
  In2.Cu w0.508: v3(32.28,75.72) v3(32.28,78.61) ; v3(55.83,33.15) 57,34.32 v3(58.34,34.32)
